# KiCad board nixie_clock_hv.kicad_pcb (continued)
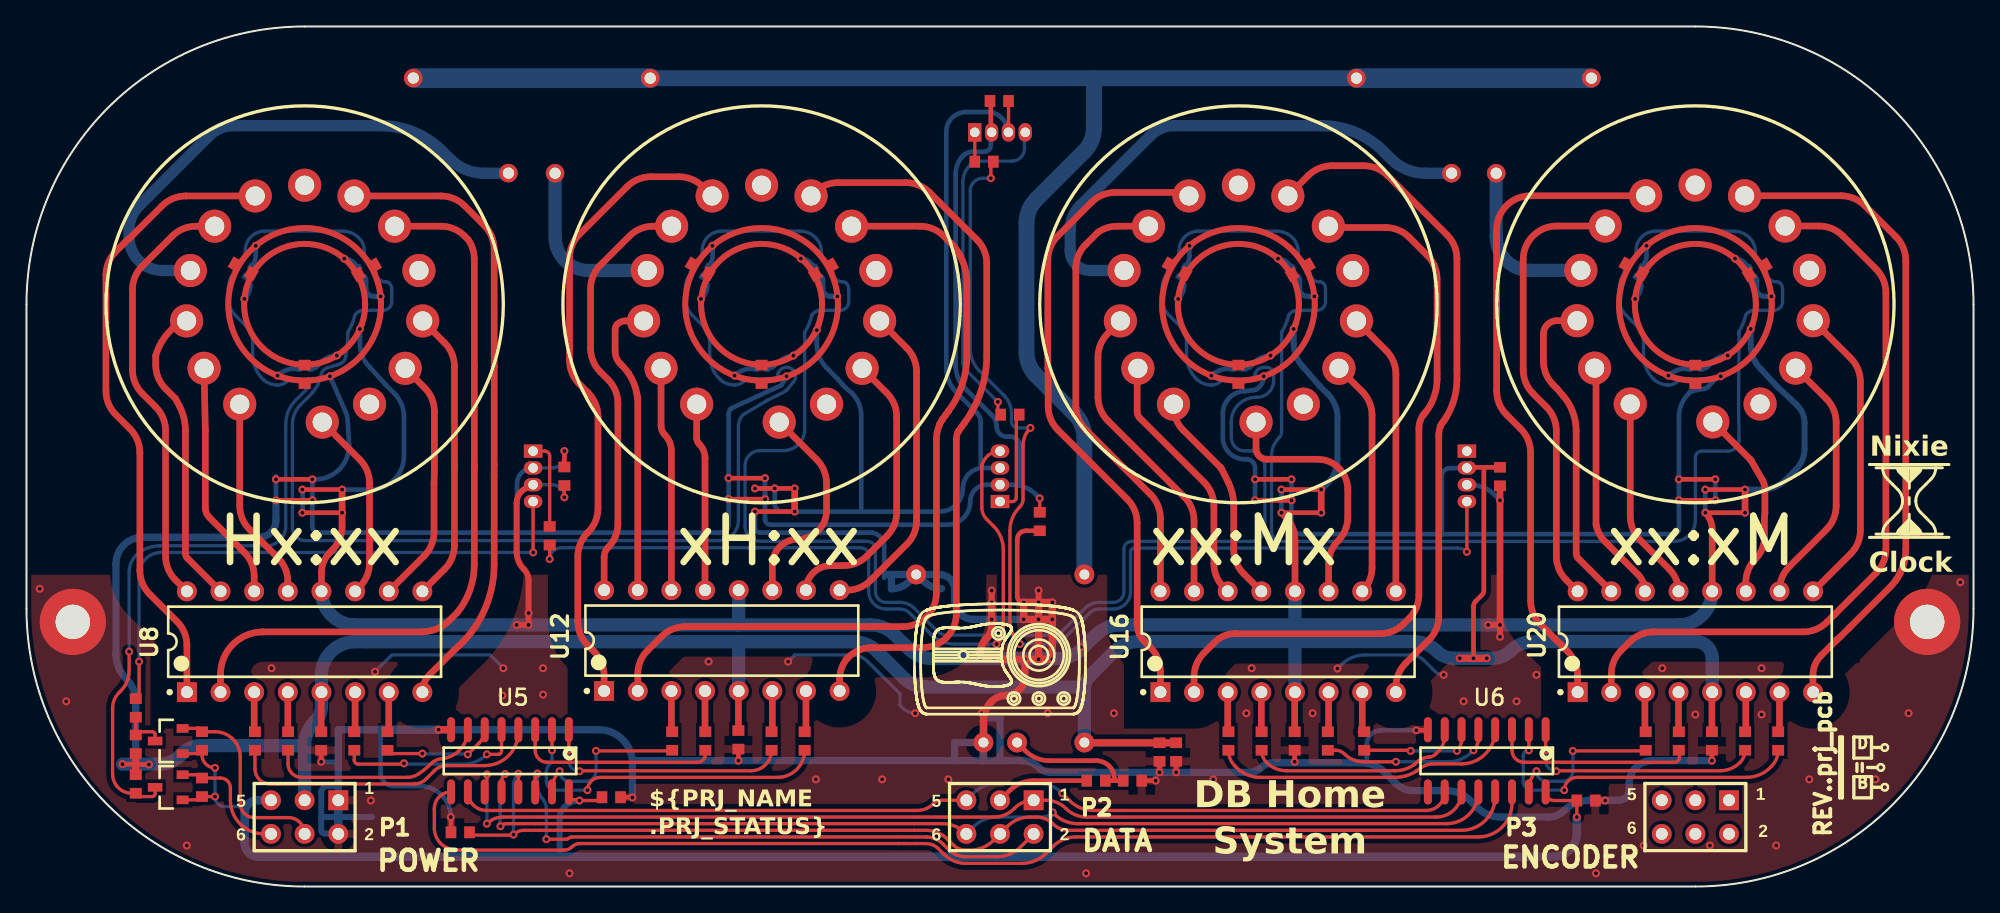
[diagram p0: board, top side]
## Routing (per net, layer and track width the routed paths; a pad name or vN(x,y) marks a point on that pad's centre or on a via; arc(x,y) is an arc through that point) (continued)
NetR18_2: length 12.4
  Top Layer w0.25: U6.15 113.43,7.33 arc(113.57,8.08) v1(114,8.72) ; v1(116.75,10.25) 122.2,10.25 R18.2
  Bottom Layer w0.25: v1(116.75,10.25) 116.75,8.72 arc(116.53,8.18) 115.99,7.95 114.76,7.95 arc(114.22,8.18) v1(114,8.72)
NetR19_2: length 18.7
  Top Layer w0.25: v1(114.7,10.3) U6.1 ; v1(115.5,8.72) 115.5,8.77 arc(115.51,8.76) 115.52,8.75 127.86,8.75 arc(128.68,8.91) 129.37,9.37 arc(129.65,9.8) R19.2
  Bottom Layer w0.25: v1(114.7,10.3) 114.7,9.52 arc(114.93,8.95) v1(115.5,8.72)
NetR20_2: length 25.4
  Top Layer w0.25: v1(113.43,10.29) U6.2 ; R20.2 132.25,10.29 arc(132.12,9.65) 131.76,9.1 arc(130.9,8.47) 129.86,8.25 117.07,8.25 arc(116.41,7.99) 116.11,7.36 arc(116.11,7.32) v1(116.1,7.28)
  Bottom Layer w0.25: v1(116.1,7.28) 113.67,7.28 arc(113.2,7.48) 113,7.95 113,9.87 arc(113.12,10.17) v1(113.43,10.29)
NetR21_2: length 15.5
  Top Layer w0.25: U6.3 112.16,10.3 arc(112.42,9.66) 113.06,9.39 124.42,9.39 arc(124.69,9.5) 124.8,9.77 124.8,10.25 arc(124.78,10.29) R21.2
NetR22_2: length 23.4
  Top Layer w0.25: U6.4 110.89,11.81 arc(110.63,10.69) 109.9,9.8 arc(109.17,9.41) 108.35,9.27 106.27,9.27 arc(105.81,9.21) 105.37,9.04 arc(105.35,9.03) 105.33,9.01 arc(105.13,8.86) 104.93,8.72 arc(105.03,8.78) 105.13,8.85 arc(104.65,8.56) 104.13,8.36 arc(103.72,8.28) 103.31,8.25 93.15,8.25 arc(92.35,8.38) 91.63,8.75 arc(91.49,8.87) 91.35,8.99 91.24,9.1 arc(90.88,9.65) 90.75,10.29 R22.2
NetR23_2: length 13.1
  Top Layer w0.25: U6.5 109.62,11.18 arc(109.52,10.7) v1(109.25,10.3) ; R23.2 98.84,10.3 arc(99.2,10.23) 99.51,10.02 arc(100.17,9.58) 100.95,9.43 v1(103.39,9.43)
  Bottom Layer w0.25: v1(103.39,9.43) 107.32,9.43 arc(108.3,9.62) 109.12,10.17 v1(109.25,10.3)
NetR24_2: length 9
  Top Layer w0.25: U6.6 108.35,11.08 arc(108.26,10.63) v1(108,10.25) ; 100.75,10.3 R24.2 104.38,10.3 arc(104.44,10.29) v1(104.5,10.25)
  Bottom Layer w0.25: v1(104.5,10.25) v1(108,10.25)
NetR25_2: length 16.3
  Top Layer w0.25: U6.7 107.08,11.23 arc(107.07,11.23) 107.07,11.22 arc(107.06,11.2) 107.06,11.18 arc(106.93,10.71) 106.68,10.3 106.4,10.02 arc(106.2,9.87) 105.96,9.79 arc(105.93,9.78) 105.9,9.78 arc(105.85,9.77) 105.79,9.77 arc(105.59,9.74) 105.41,9.67 arc(105.28,9.62) 105.16,9.55 arc(105.05,9.46) 104.94,9.37 104.83,9.25 arc(104.11,8.88) 103.31,8.75 95.14,8.75 arc(94.32,8.91) 93.63,9.37 arc(93.35,9.8) R25.2
NetU5_9: length 89.3
  Top Layer w0.25: U6.14 112.16,6.29 arc(111.41,4.49) 109.62,3.75 79.26,3.75 arc(78.29,3.56) 77.48,3.01 76.96,2.49 arc(76.82,2.37) 76.68,2.25 arc(75.96,1.88) 75.16,1.75 70.93,1.75 arc(70.03,1.93) 69.26,2.45 68.85,2.86 arc(68.42,3.15) 67.91,3.25 67.18,3.25 65.83,3.25 41.79,3.25 arc(41.46,3.19) 41.18,3 arc(40.91,2.82) 40.58,2.75 32.8,2.75 arc(32.61,2.76) 32.43,2.78 arc(31.79,2.91) 31.26,3.27 arc(30.91,3.8) 30.79,4.41 30.79,5.89 arc(31.16,6.78) U5.9
NetU9_2: length 12.1
  Bottom Layer w0.25: U9.2 20.05,38.28 arc(19.89,38.27) 19.73,38.22 arc(19.69,38.2) 19.66,38.17 arc(19.33,37.97) 18.96,37.9 arc(18.4,38) 17.91,38.28 17.82,38.37 arc(17.76,38.44) 17.7,38.51 arc(17.24,39.28) 17.08,40.17 17.08,41.07 arc(16.94,41.8) 16.52,42.42 ; 16.52,42.42 15.76,43.18 arc(15.38,43.74) 15.25,44.41 15.25,45.22 arc(15.39,45.93) U10.4
NetU10_2: length 12.5
  Bottom Layer w0.25: U10.2 arc(16.44,47.6) 16.52,48.01 16.52,48.07 arc(16.63,48.63) 16.95,49.1 arc(17.43,49.42) 17.99,49.53 23.88,49.53 arc(24.53,49.4) 25.08,49.03 arc(25.4,48.56) 25.51,48.01 25.51,47.94 arc(25.59,47.53) U11.4
NetU13_2: length 12.1
  Bottom Layer w0.25: U13.2 54.55,38.28 arc(54.39,38.27) 54.23,38.22 arc(54.19,38.2) 54.16,38.17 arc(53.83,37.97) 53.46,37.9 arc(52.9,38) 52.41,38.28 52.32,38.37 arc(52.26,38.44) 52.2,38.51 arc(51.74,39.28) 51.58,40.17 51.58,41.07 arc(51.44,41.8) 51.02,42.42 ; 51.02,42.42 50.26,43.18 arc(49.88,43.74) 49.75,44.41 49.75,45.22 arc(49.89,45.93) U14.4
NetU14_2: length 12.5
  Bottom Layer w0.25: U14.2 arc(50.94,47.6) 51.02,48.01 51.02,48.07 arc(51.13,48.63) 51.45,49.1 arc(51.93,49.42) 52.49,49.53 58.38,49.53 arc(59.03,49.4) 59.58,49.03 arc(59.9,48.56) 60.01,48.01 60.01,47.94 arc(60.09,47.53) U15.4
NetU17_2: length 12.1
  Bottom Layer w0.25: 87.02,42.42 86.26,43.18 arc(85.88,43.74) 85.75,44.41 85.75,45.22 arc(85.89,45.93) U18.4 ; U17.2 90.55,38.28 arc(90.39,38.27) 90.23,38.22 arc(90.19,38.2) 90.16,38.17 arc(89.83,37.97) 89.46,37.9 arc(88.9,38) 88.41,38.28 88.32,38.37 arc(88.26,38.44) 88.2,38.51 arc(87.74,39.28) 87.58,40.17 87.58,41.07 arc(87.44,41.8) 87.02,42.42
NetU18_2: length 12.5
  Bottom Layer w0.25: U19.4 arc(96.09,47.53) 96.01,47.94 96.01,48.01 arc(95.9,48.56) 95.58,49.03 arc(95.03,49.4) 94.38,49.53 88.49,49.53 arc(87.93,49.42) 87.45,49.1 arc(87.13,48.63) 87.02,48.07 87.02,48.01 arc(86.94,47.6) U18.2
NetU21_2: length 12.1
  Bottom Layer w0.25: 125.58,38.28 125.05,38.28 arc(124.89,38.27) 124.74,38.22 arc(124.7,38.2) 124.66,38.17 arc(124.34,37.97) 123.97,37.9 123.97,37.9 arc(123.41,38) 122.92,38.28 122.83,38.37 arc(122.77,38.44) 122.71,38.51 arc(122.25,39.28) 122.09,40.17 122.09,41.07 arc(121.94,41.8) 121.53,42.42 ; 121.53,42.42 120.77,43.18 arc(120.39,43.74) 120.26,44.41 120.26,45.22 arc(120.4,45.93) 120.79,46.52
NetU22_2: length 12.5
  Bottom Layer w0.25: 130.83,47.19 arc(130.6,47.53) 130.52,47.94 130.52,48.01 arc(130.41,48.56) 130.09,49.03 arc(129.54,49.4) 128.89,49.53 123,49.53 arc(122.43,49.42) 121.95,49.1 arc(121.64,48.63) 121.53,48.07 121.53,48.01 arc(121.45,47.6) 121.22,47.26
SIPO_CLK: length 80.6
  Top Layer w0.25: U5.11 34.6,7.89 34.76,8.06 v1(34.76,8.47) ; U6.11 arc(107.79,5.81) 106.45,5.25 80.02,5.25 arc(79.2,5.41) 78.5,5.88 arc(77.79,6.35) 76.95,6.52 P2.1 arc(75.26,6.37) 74.61,5.93 74.56,5.88 arc(73.86,5.41) 73.04,5.25 35.97,5.25 arc(35.31,5.12) v1(34.76,4.75)
  Bottom Layer w0.25: v1(34.76,4.75) v1(34.76,8.47)
SIPO_CLR: length 76.6
  Top Layer w0.25: P2.5 69.11,6.52 arc(68.76,6.45) 68.46,6.25 arc(67.91,5.88) 67.25,5.75 67,5.75 34.72,5.75 arc(33.74,6.16) U5.10 ; v1(78.2,7.05) 78.75,6.49 arc(79.58,5.94) 80.55,5.75 105.68,5.75 arc(106.66,6.16) U6.10
  Bottom Layer w0.25: P2.5 71.49,7.05 arc(72.31,7.6) 73.28,7.79 76.41,7.79 arc(77.38,7.6) v1(78.2,7.05)
SIPO_DATA: length 44.5
  Top Layer w0.25: U5.14 38.41,8.28 38.58,8.45 v1(38.58,8.54) ; v1(39.25,3.58) 40.74,3.58 arc(40.8,3.58) 40.86,3.61 41.06,3.72 arc(41.12,3.74) 41.18,3.75 65.83,3.75 67.18,3.75 67.91,3.75 arc(67.95,3.75) 67.99,3.75 arc(68.64,3.59) 69.2,3.21 ; P2.2 75.05,2.99 arc(74.23,2.44) 73.26,2.25 70.93,2.25 arc(70.22,2.39) 69.61,2.8 69.2,3.21
  Bottom Layer w0.25: v1(39.25,3.58) 39.25,5.85 arc(39.2,6.21) 39.04,6.53 arc(38.97,6.63) 38.89,6.72 arc(38.66,7.19) 38.57,7.71 v1(38.58,8.54)
SIPO_OE: length 87.1
  Top Layer w0.25: U5.13 v1(37.14,8.53) ; R13.1 33.66,3.88 36.73,3.88 v1(36.77,3.93) arc(37.13,4.17) 37.55,4.25 38.75,4.25 67.9,4.25 arc(68.56,4.15) 69.17,3.87 arc(69.37,3.73) 69.55,3.57 ; 69.55,3.57 69.97,3.15 arc(70.41,2.85) 70.93,2.75 71.22,2.75 arc(72.19,2.94) 73.01,3.49 P2.4 74.08,4.56 arc(74.84,5.07) 75.74,5.25 76.27,5.25 arc(76.93,5.12) 77.48,4.75 arc(78.03,4.38) 78.69,4.25 108.35,4.25 arc(110.14,4.99) 110.89,6.79 U6.13
  Bottom Layer w0.25: v1(36.77,3.93) 36.77,7.64 arc(36.86,8.12) v1(37.13,8.53)
SIPO_RCLK: length 81.7
  Top Layer w0.25: U5.12 35.87,7.86 arc(35.93,8.21) v1(36.13,8.5) ; v1(77.48,5.6) 77.58,5.49 arc(78.41,4.94) 79.38,4.75 107.22,4.75 arc(108.91,5.45) U6.12 ; P2.6 70.93,4.01 arc(70.11,4.56) 69.14,4.75 36.25,4.75 arc(36,4.7) v1(35.79,4.56)
  Bottom Layer w0.25: v1(35.79,4.56) 35.75,4.75 35.75,7.6 arc(35.85,8.09) v1(36.13,8.5) ; P2.6 71.49,4.51 arc(72.31,5.06) 73.28,5.25 76.64,5.25 arc(77.09,5.34) v1(77.48,5.6)

## Copper pours and planes (outline as drawn; the poured copper is in the pictures)
GND on Top Layer: -1.5,23.57 149.75,23.57 149.75,-1 -1.5,-1
GND on Bottom Layer: -1.5,23.57 149.75,23.57 149.75,-1 -1.5,-1

## Text on the board
Bottom Solder: D | B
Bottom Overlay: REV..prj_pcb | xx:xM | xx:Mx | xH:xx | Hx:xx | System | DB Home | Clock | Nixie | ${PRJ_NAME / .PRJ_STATUS}
PCB_Note: DOC-104 REV A | ${PCB_CHECKER_APP_DATE} | ${PRJ_DATE} | ${PCB_DESIGNER_APP_DATE} | ${PCB_ENGINEER_APP_DATE} | 2 DEC. PLACE | 3 DEC. PLACE | ANGLES | THIRD ANGLE PROJECTION | PART NO. | PRINT DATE: | UNLESS OTHERWISE SPECIFIED DIMENSIONS | MATERIAL: | AND TOLERANCE ARE IN INCHES AND | APPLY TO THE FINISHED PART | TOLERANCE ON: | BOARD: | STATUS: | VARIANT: | DESIGNER: | ENGINEER: | CHECKER: | BOM: | ASSY DWG: | FAB DWG: | SCHEMATIC: | REFERENCE DOCUMENTS | DATE | TITLE: | LICENSE: | LAYER: | SCALE: | SIZE: | CAGE CODE: | FILE NAME: | DWG NO: | ${PCB_ORGANIZATION} | ${PCB_ADDRESS1} | ${PCB_ADDRESS2} | ${PCB_ADDRESS3} - ${PCB_ADDRESS4} | SHEET: | OF | REV: | ${PRJ_PART_NUMBER} | PROJECT | APPROVALS | A | B | C | D | E | F | G | H | 1 | 2 | 3 | 4 | 5 | 6 | 7 | 8 | 9 | 10 | 11 | 12 | 13 | 14 | 15 | 16 | .prj_name | ${VARIANTNAME} | ${PCB_DESIGNER} | ${PCB_ENGINEER} | ${PCB_CHECKER} | ${PCB_DWG_NO} | ${PRJ_PCB} | ${CURRENT_DATE}, ${PRINT_TIME} | SEE NOTES | ${PCB_3_DEC_TOL} | ${PCB_ANG_TOL} | ${PCB_FILE_NAME_NO_PATH} | -  ${PRJ_STATUS} - | T | R | I | S | W | O | V | L | U | Y | M | N | X | P | ${} | ${PCB_2_DEC_TOL} | ${DOC_NO_BOM} | ${DOC_NO_ASSY_DWG} | ${DOC_NO_FAB_DWG} | ${DOC_NO_SCH_DWG} | ${PCB_SCALE} | ZONE | REV | DESCRIPTION | ORIGINAL | REVISIONS | APPROVED | A  Differential Pair 90ohm +/- 10% | B  Single Ended 50ohm +/- 10% | C  Differential Pair 100ohm +/- 10% | ${PRJ_NAME_LONG} | ${PCB_TITLE1} | ${PCB_TITLE2} | ${PRJ_LICENSE} | ${CAGE_CODE} | A3 | PCB Build Notes: | Other Notes: | DWG. NO. | 1. Layers: ${PCB_LAYER_COUNT} / 2. Base Material: ${PCB_MATERIAL} / 3. Plating Finish: ${PCB_FINISH} / 4. Silkscreen Color: .${PCB_SILKSCREEN_COLOR} / 5. Solder Color: ${PCB_SOLDER_COLOR}
Drawing: ${LAYER}
Assembly Top: ${LAYER}
Assembly Bottom: ${LAYER}
Top Overlay: REV..prj_pcb | Hx:xx | xH:xx | xx:Mx | xx:xM | Nixie | Clock | DB Home | System | ${PRJ_NAME / .PRJ_STATUS} | D | B
Top TitleBlock: DOC-104 REV A | ${PCB_CHECKER_APP_DATE} | ${PRJ_DATE} | ${PCB_DESIGNER_APP_DATE} | ${PCB_ENGINEER_APP_DATE} | 2 DEC. PLACE | 3 DEC. PLACE | ANGLES | THIRD ANGLE PROJECTION | PART NO. | PRINT DATE: | UNLESS OTHERWISE SPECIFIED DIMENSIONS | MATERIAL: | AND TOLERANCE ARE IN INCHES AND | APPLY TO THE FINISHED PART | TOLERANCE ON: | BOARD: | STATUS: | VARIANT: | DESIGNER: | ENGINEER: | CHECKER: | BOM: | ASSY DWG: | FAB DWG: | SCHEMATIC: | REFERENCE DOCUMENTS | DATE | TITLE: | LICENSE: | LAYER: | SCALE: | SIZE: | CAGE CODE: | FILE NAME: | DWG NO: | ${PCB_ORGANIZATION} | ${PCB_ADDRESS1} | ${PCB_ADDRESS2} | ${PCB_ADDRESS3} - ${PCB_ADDRESS4} | SHEET: | OF | REV: | ${PRJ_PART_NUMBER} | PROJECT | APPROVALS | A | B | C | D | E | F | G | H | 1 | 2 | 3 | 4 | 5 | 6 | 7 | 8 | 9 | 10 | 11 | 12 | 13 | 14 | 15 | 16 | .prj_name | ${VARIANTNAME} | ${PCB_DESIGNER} | ${PCB_ENGINEER} | ${PCB_CHECKER} | ${PCB_DWG_NO} | ${PRJ_PCB} | ${CURRENT_DATE}, ${PRINT_TIME} | SEE NOTES | ${PCB_3_DEC_TOL} | ${PCB_ANG_TOL} | ${PCB_FILE_NAME_NO_PATH} | -  ${PRJ_STATUS} - | T | R | I | S | W | O | V | L | U | Y | M | N | X | P | ${} | ${PCB_2_DEC_TOL} | ${DOC_NO_BOM} | ${DOC_NO_ASSY_DWG} | ${DOC_NO_FAB_DWG} | ${DOC_NO_SCH_DWG} | ${PCB_SCALE} | ZONE | REV | DESCRIPTION | ORIGINAL | REVISIONS | APPROVED | ${PRJ_NAME_LONG} | ${PCB_TITLE1} | ${PCB_TITLE2} | ${PRJ_LICENSE} | ${CAGE_CODE} | A3 | DWG. NO.
Bottom TitleBlock: DOC-104 REV A | ${PRJ_DATE} | ${PCB_DESIGNER_APP_DATE} | ${PCB_ENGINEER_APP_DATE} | ${PCB_CHECKER_APP_DATE} | ANGLES | 3 DEC. PLACE | 2 DEC. PLACE | THIRD ANGLE PROJECTION | REV: | OF | SHEET: | ${PCB_ORGANIZATION} | ${PCB_ADDRESS1} | ${PCB_ADDRESS2} | ${PCB_ADDRESS3} - ${PCB_ADDRESS4} | DWG NO: | FILE NAME: | CAGE CODE: | SIZE: | TITLE: | LICENSE: | LAYER: | SCALE: | DATE | REFERENCE DOCUMENTS | PROJECT | APPROVALS | BOARD: | STATUS: | VARIANT: | DESIGNER: | ENGINEER: | CHECKER: | BOM: | ASSY DWG: | FAB DWG: | SCHEMATIC: | TOLERANCE ON: | ${PRJ_PART_NUMBER} | APPLY TO THE FINISHED PART | AND TOLERANCE ARE IN INCHES AND | UNLESS OTHERWISE SPECIFIED DIMENSIONS | MATERIAL: | PRINT DATE: | PART NO. | A | B | C | D | E | F | G | 16 | 15 | 14 | 13 | 12 | 11 | 10 | 9 | 8 | 7 | 6 | 5 | 4 | 3 | 2 | 1 | H | .prj_name | ${VARIANTNAME} | ${PCB_DESIGNER} | ${PCB_ENGINEER} | ${PCB_CHECKER} | ${PRJ_PCB} | ${PCB_DWG_NO} | ${PCB_FILE_NAME_NO_PATH} | ${PCB_SCALE} | ${DOC_NO_BOM} | ${DOC_NO_ASSY_DWG} | ${DOC_NO_FAB_DWG} | ${DOC_NO_SCH_DWG} | ${PCB_ANG_TOL} | ${PCB_3_DEC_TOL} | SEE NOTES | ${CURRENT_DATE}, ${PRINT_TIME} | ${PCB_2_DEC_TOL} | Y | ${} | M | R | N | O | V | I | S | T | L | U | W | P | X | -  ${PRJ_STATUS} - | APPROVED | REVISIONS | ORIGINAL | DESCRIPTION | REV | ZONE | ${PRJ_LICENSE} | ${PRJ_NAME_LONG} | ${PCB_TITLE1} | ${PCB_TITLE2} | ${CAGE_CODE} | A3 | DWG. NO.
Note Top: ${LAYER}
Note Bottom: ${LAYER}
